# Altium PCB erb-pcb0003.PcbDoc (part 2 of 2)
Units mm, origin at the board's own origin, x right, y up, seen from the top; angles counter-clockwise.
Board outline 100 x 66.5 mm, 4 copper layers (Top Layer, Mid-Layer 1, Mid-Layer 2, Bottom Layer), stack 1.564 mm thick; 134 components, 87 nets, 757 pads, 92 vias.
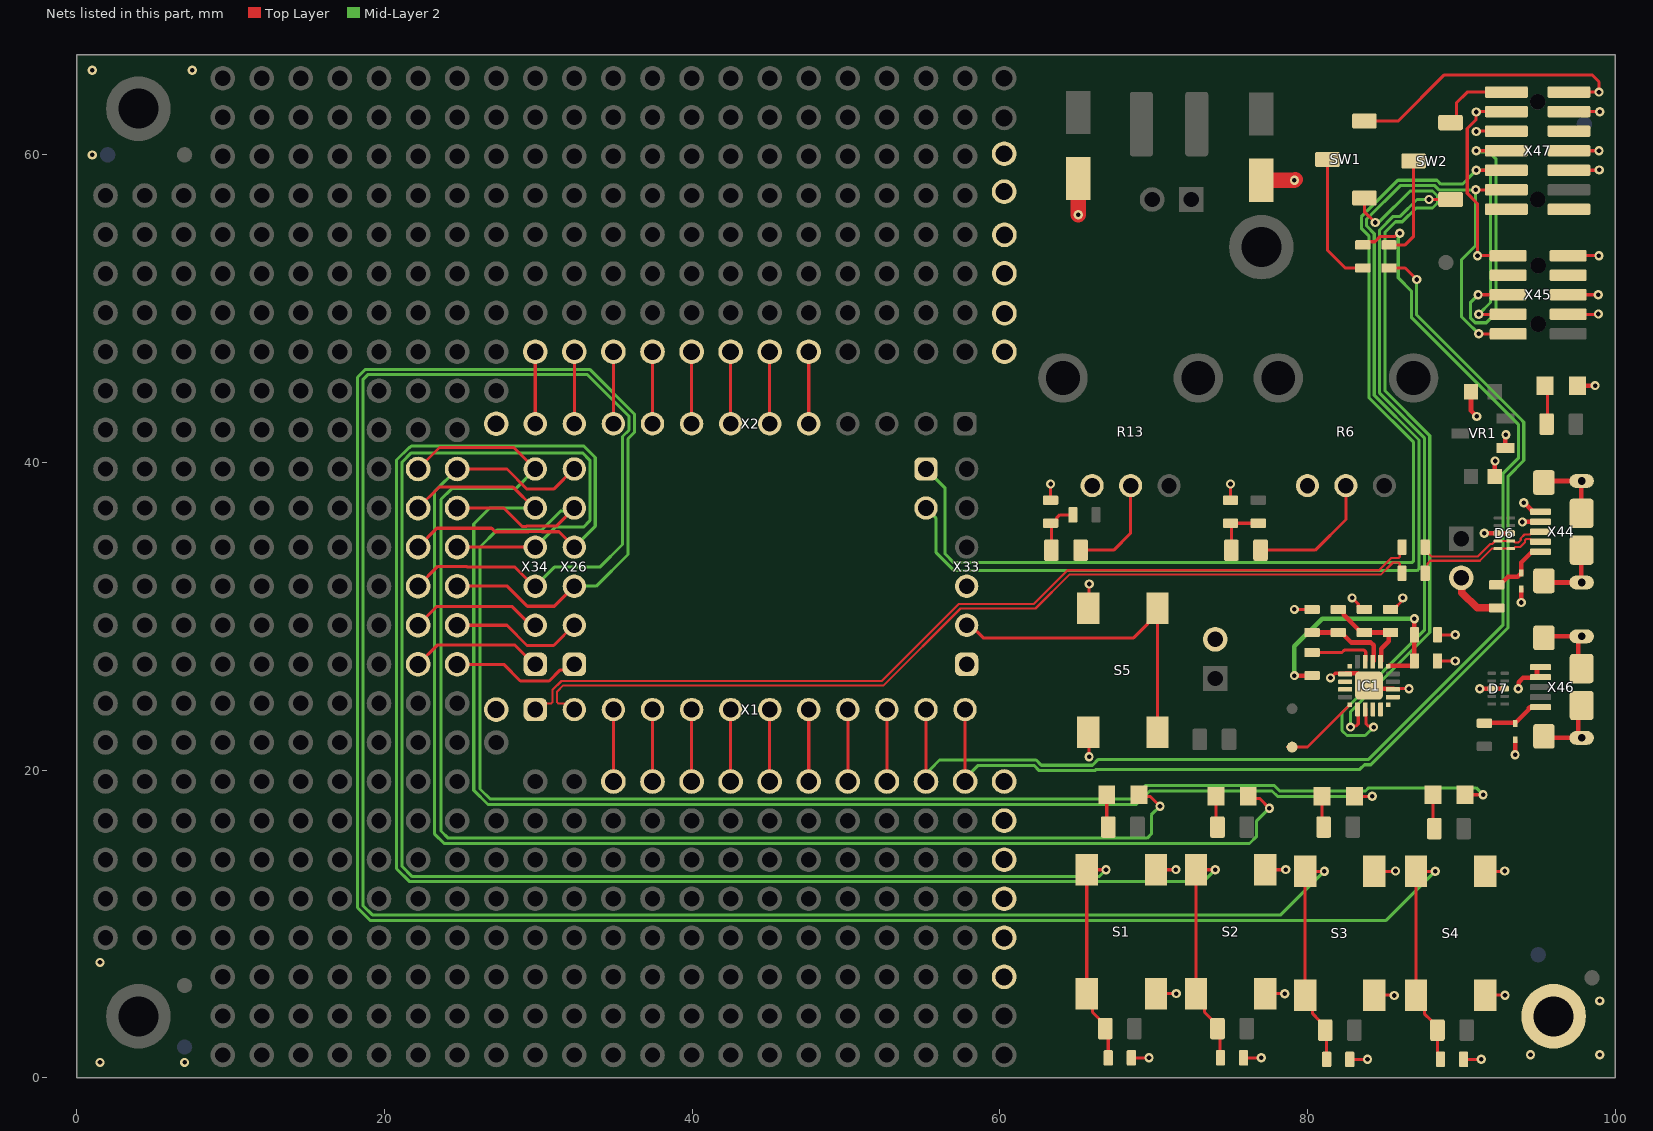
[diagram p4: the nets of this part, all layers, seen from the top]

## Via types
v1: diameter 0.6, hole 0.3, Top Layer to Bottom Layer, 92 vias

## Nets (pads, with @x,y where several pads share a name; then routed paths per layer and width w, separated by ;. In a path a pad name is that pad's centre, name@x,y a point inside that pad or via, vN(x,y) a via of type N, cw(c..) or ccw(c..) an arc to the next point about the centre after c; other vN are vias at no path point) (continued)
GND: C1.2 C2.2 C3.2 C4.2 C5.1 C6.1 C7.2 C8.2 C9.2 C10.2 C11.1 C12.1 C13.1 C14.1 D5.K D6.3 D6.8 D7.3 D7.8 D8.A D9.A IC1.3 IC1.12 IC1.21 pad.6@96,4 R6.1 R13.1 R16.2 S1.3 S1.4 S2.3 S2.4 S3.3 S3.4 S4.3 S4.4 S5.3 S5.4 VR1.1 X33.1 X33.3 X42.2 X44.4 X44.5 X44.6@95.375,32.3 X44.6@95.375,38.7 X44.6@97.825,32.2 X44.6@97.825,34.3 X44.6@97.825,36.7 X44.6@97.825,38.8 X45.3 X45.5 X45.9 X46.4 X46.5 X46.6@95.375,22.2 X46.6@95.375,28.6 X46.6@97.825,22.1 X46.6@97.825,24.2 X46.6@97.825,26.6 X46.6@97.825,28.7 X47.5 X47.7 X47.11 X52.1 X53.1 X54.1 X55.1 X56.1 X57.1 X58.1 X59.1 X60.1 X61.1 X62.1 X63.1 X64.1 X65.1 | length 80.7
  Top Layer w0.2: C7.2@63.3,37.55 v1(63.3,38.6) ; S5.4@65.8,22.1 65.8,20.874 v1(65.803,20.872) ; S5.3@65.8,30.9 65.8,32.092 v1(65.81,32.102) ; C1.2@68.55,1.3 v1(69.7,1.3) ; S1.3@70.15,5.475 71.471,5.475 v1(71.472,5.474) ; S1.4@70.15,13.525 71.435,13.525 v1(71.448,13.538) ; C3.2@75,37.55 v1(75,38.6) ; C2.2@75.85,1.3 v1(77,1.3) ; S2.3@77.25,5.475 78.509,5.475 v1(78.517,5.466) ; S2.4@77.25,13.525 78.576,13.525 v1(78.587,13.536) ; v1(79.15,30.45) R16.2@80.3,30.45 ; v1(81.5,26) 81.502,26 81.802,26.3 IC1.12@82.5,26.3 ; C4.2@82.75,1.2 v1(83.9,1.2) ; v1(82.9,31.2) 83.3,30.8 83.3,30.65 83.5,30.45 C14.1@83.7,30.45 ; IC1.21@84.05,25.55 IC1.21@84.3,25.3 ; S3.3@84.35,5.375 85.615,5.375 v1(85.635,5.354) ; S3.4@84.35,13.425 85.704,13.425 v1(85.723,13.444) ; C13.1@85.4,30.45 85.6,30.45 85.8,30.65 85.8,30.66 85.978,30.838 86.046,30.906 86.046,30.938 86.2,31.092 v1(86.2,31.2) ; IC1.3@85.6,25.3 v1(86.6,25.3) ; C11.1@88.45,27.1 v1(89.6,27.1) ; C12.1@88.45,28.8 v1(89.6,28.8) ; C8.2@90.15,1.2 v1(91.3,1.2) ; S4.3@91.55,5.375 92.828,5.375 v1(92.841,5.362) ; S4.4@91.55,13.425 92.807,13.425 v1(92.826,13.444) ; X45.3@96.95,49.635 98.89,49.635 v1(98.913,49.658) ; X45.5@96.95,50.905 v1(98.905,50.905) ; X45.9@96.95,53.445 v1(98.945,53.445) ; X47.5@97,59 98.94,59 v1(98.963,59.023) ; X47.7@97,60.27 v1(98.955,60.27) ; X47.11@97,62.81 v1(98.995,62.81)
  Top Layer w0.3: IC1.12@82.5,26.3 83.259,26.3 84.009,25.55 IC1.21@84.05,25.55 ; IC1.21@84.3,25.3 IC1.3@85.6,25.3 ; C6.1@90.63,44.6 90.63,43.37 v1(91,43) ; v1(91.2,25.3) D7.8@92.8,25.3 ; v1(91.5,35.4) D6.3@93.215,35.4 ; C5.1@92.17,39.1 92.176,39.106 92.176,40.076 v1(92.2,40.1) ; VR1.1@92.85,40.95 92.861,40.961 92.861,41.761 v1(92.9,41.8) ; v1(93.5,21) D9.A@93.5,21.95 ; v1(93.7,25.3) 93.736,25.336 93.736,25.724 94.012,26 94.875,26 94.925,26.05 X46.5@94.925,26.7 ; v1(93.9,30.9) D8.A@93.9,31.775 ; v1(93.975,36.133) 93.992,36.15 X44.4@95.125,36.15 ; v1(94.056,37.385) 94.083,37.385 94.6,36.868 94.6,36.85 94.65,36.8 X44.5@95.125,36.8 ; X46.6@95.15,22.2 95.25,22.1 97.6,22.1 X46.6@97.6,24.2 ; X46.6@95.15,28.6 95.25,28.7 97.6,28.7 X46.6@97.6,26.6 ; X44.6@95.35,32.3 95.45,32.2 97.8,32.2 X44.6@97.8,34.3 ; X44.6@95.35,38.7 95.45,38.8 97.8,38.8 X44.6@97.8,36.7 ; D5.K@97.55,45 v1(98.7,45)
  Top Layer w1: v1(65.1,56.1) C10.2@65.1,58.45 ; C9.2@77,58.35 v1(79.15,58.35) v1@79.2,58.4
  other v1: 1.5,1 7,1 94.5,1.5 99,1.5 99,5 1.5,7.5 1,60 1,65.5 7.5,65.5
GPIO1: D1.K X34.6 X40.1 | length 87.5
  Top Layer w0.2: X40.1@22.18,39.58 23.577,40.977 28.403,40.977 X34.6@29.8,39.58 ; D1.K@69.05,18.4 69.161,18.289 69.783,18.289 v1(70.412,17.659)
  Mid-Layer 2 w0.2: X34.6@29.8,39.58 28.52,38.3 24.365,38.3 23.67,37.605 23.67,16.047 24.137,15.58 69.58,15.58 69.85,15.85 69.85,17.097 v1(70.412,17.659)
GPIO2: D2.K X26.6 X32.1 | length 90.8
  Top Layer w0.2: X32.1@24.72,39.58 27.957,39.58 29.267,38.27 30.996,38.27 X26.6@32.323,39.597 ; D2.K@76.15,18.3 76.282,18.168 76.883,18.168 v1(77.524,17.527)
  Mid-Layer 2 w0.2: X32.1@24.72,39.58 23.235,38.095 23.235,15.87 23.875,15.23 76.23,15.23 76.7,15.7 76.7,16.703 v1(77.524,17.527)
GPIO3: D3.K X34.5 X39.1 | length 90.9
  Top Layer w0.2: X39.1@22.18,37.04 23.539,38.399 28.362,38.399 29.721,37.04 X34.5@29.8,37.04 ; D3.K@83.05,18.3 v1@84.2,18.3
  Mid-Layer 2 w0.2: X34.5@29.8,37.04 26.84,37.04 25.8,36 25.8,18.695 26.725,17.77 68.867,17.77 69.63,18.533 69.747,18.65 77.697,18.65 78.048,18.3 v1(84.205,18.3)
GPIO4: D4.K X26.5 X31.1 | length 98.9
  Top Layer w0.2: X31.1@24.72,37.04 27.752,37.04 28.942,35.85 29.227,35.85 29.237,35.86 31.16,35.86 X26.5@32.34,37.04 ; D4.K@90.25,18.4 v1@91.4,18.4
  Mid-Layer 2 w0.2: X26.5@32.34,37.04 32.14,36.84 31.44,36.84 30.2,35.6 27.3,35.6 26.21,34.51 26.21,18.78 26.87,18.12 68.584,18.12 69.464,19 77.842,19 78.193,18.65 83.777,18.65 83.977,18.85 90.966,18.85 v1(91.416,18.399)
GPIO5: C1.1 R1.1 S1.1 S1.2 X34.4 X38.1 | length 112.5
  Top Layer w0.2: X38.1@24.72,34.5 X34.4@29.8,34.5 ; v1(66.9,13.525) S1.2@65.65,13.525 S1.1@65.65,5.475 66.026,5.099 66.026,4.267 66.505,3.788 66.526,3.788 66.9,3.415 66.9,3.2 67.05,3.05 C1.1@67.05,1.3
  Mid-Layer 2 w0.2: X34.4@29.8,34.5 31.1,35.8 32.933,35.8 33.35,36.217 33.35,40.15 32.87,40.63 21.745,40.63 21.13,40.015 21.13,13.745 21.775,13.1 66.475,13.1 v1(66.9,13.525)
GPIO6: C2.1 R2.1 S2.1 S2.2 X26.4 X30.1 | length 125.5
  Top Layer w0.2: X30.1@22.18,34.5 23.405,35.725 26.961,35.725 27.186,35.5 29.372,35.5 29.382,35.51 30.218,35.51 30.228,35.5 31.34,35.5 X26.4@32.34,34.5 ; v1(74,13.525) S2.2@72.75,13.525 S2.1@72.75,5.475 73.311,4.914 73.311,4.267 R2.1@74.15,3.429 ; R2.1@74.15,3.2 74.318,3.032 74.318,1.332 C2.1@74.35,1.3
  Mid-Layer 2 w0.2: X26.4@32.34,34.5 33.7,35.86 33.7,40.325 32.955,41.07 21.745,41.07 21.655,40.98 21.6,40.98 20.78,40.16 20.78,13.6 21.63,12.75 73.225,12.75 v1(74,13.525)
GPIO7: C4.1 R8.1 S3.1 S3.2 X34.3 X37.1 | length 154.6
  Top Layer w0.2: X37.1@22.18,31.96 23.47,33.25 25.326,33.25 25.382,33.194 28.486,33.194 X34.3@29.721,31.96 ; v1(81.1,13.425) S3.2@79.85,13.425 S3.1@79.85,5.375 80.336,4.889 80.336,4.167 80.787,3.716 80.787,3.413 81.25,2.95 C4.1@81.25,1.2
  Mid-Layer 2 w0.2: X34.3@29.8,31.96 31.04,33.2 34,33.2 35.475,34.675 35.475,41.687 35.89,42.102 35.89,43.01 33.19,45.71 18.91,45.71 18.59,45.39 18.59,11.205 19.205,10.59 78.265,10.59 v1(81.1,13.425)
GPIO8: C8.1 R14.1 S4.1 S4.2 X26.3 X29.1 | length 162
  Top Layer w0.2: X29.1@24.72,31.96 27.978,31.96 29.281,30.657 31.037,30.657 X26.3@32.34,31.96 ; R14.1@88.076,3.688 87.597,4.167 87.597,4.828 S4.1@87.05,5.375 S4.2@87.05,13.425 v1(88.3,13.425) ; R14.1@88.076,3.688 88.45,3.315 C8.1@88.45,1.2
  Mid-Layer 2 w0.2: X26.3@32.34,31.96 33.76,31.96 35.825,34.025 35.825,41.542 36.24,41.957 36.24,43.155 33.335,46.06 19.06,46.06 18.765,46.06 18.24,45.535 18.24,45.24 18.24,11.06 19.06,10.24 85.115,10.24 v1(88.3,13.425)
GPIO9: X34.2 X36.1 | length 8.6
  Top Layer w0.2: X36.1@22.18,29.42 23.41,30.65 28.275,30.65 29.505,29.42 X34.2@29.8,29.42
GPIO10: X26.2 X28.1 | length 8.7
  Top Layer w0.2: X28.1@24.72,29.42 27.957,29.42 29.267,28.11 30.996,28.11 X26.2@32.323,29.437
GPIO11: X34.1 X35.1 | length 8.6
  Top Layer w0.2: X35.1@22.18,26.88 23.45,28.15 28.451,28.15 X34.1@29.721,26.88
GPIO12: X26.1 X27.1 | length 8.5
  Top Layer w0.2: X27.1@24.72,26.88 27.752,26.88 28.832,25.8 30.7,25.8 31.399,26.499 31.959,26.499 X26.1@32.34,26.88
GPIO13: X1.3 X21.1 | length 5.1
  Top Layer w0.2: X21.1@34.88,19.26 X1.3@34.88,24.34
GPIO14: X1.4 X19.1 | length 5.1
  Top Layer w0.2: X19.1@37.42,19.26 X1.4@37.42,24.34
GPIO15: X2.12 X4.1 | length 5.1
  Top Layer w0.2: X2.12@29.8,42.12 X4.1@29.8,47.2
I2C_SCL: X1.5 X17.1 | length 5.1
  Top Layer w0.2: X17.1@39.96,19.26 X1.5@39.96,24.34
I2C_SDA: X1.6 X15.1 | length 5.1
  Top Layer w0.2: X15.1@42.5,19.26 X1.6@42.5,24.34
NC_DBG_CON_1.1: X47.1
NC_DBG_CON_1.2: X47.2
NC_DBG_CON_1.9: X47.9
NC_DBG_CON_1.10: X47.10 | length 2
  Top Layer w0.2: v1(90.967,61.517) 90.99,61.54 X47.10@92.93,61.54
NC_DBG_CON_2.7: X45.7
NC_DBG_CON_2.8: X45.8
NC_GPIO0_CP2102: IC1.2
NC_GPIO1_CP2102: IC1.1
NC_GPIO2_CP2102: IC1.20
NC_GPIO3_CP2102: IC1.19
NC_nSuspend_CP2102: IC1.11
NC_Suspend_CP2102: IC1.14
NC_Wakeup_CP2102: IC1.13
NetC3_1: C3.1 R5.1 R20.1 | length 3.6
  Top Layer w0.2: R5.1@75.05,34.3 75.05,36 C3.1@75,36.05 R20.1@76.8,36.05
NetC7_1: C7.1 R12.1 R21.1 | length 3.6
  Top Layer w0.2: R12.1@63.35,34.3 63.35,36 C7.1@63.3,36.05 63.5,36.05 63.7,36.25 63.7,36.4 63.9,36.6 R21.1@64.8,36.6
NetD1_A: D1.A R3.2 | length 2.1
  Top Layer w0.2: D1.A@66.95,18.4 66.95,16.4 R3.2@67.05,16.3
NetD2_A: D2.A R4.2 | length 2
  Top Layer w0.2: D2.A@74.05,18.3 74.05,16.4 R4.2@74.15,16.3
NetD3_A: D3.A R7.2 | length 2
  Top Layer w0.2: D3.A@80.95,18.3 80.95,16.4 R7.2@81.05,16.3
NetD4_A: D4.A R9.2 | length 2.2
  Top Layer w0.2: D4.A@88.15,18.4 88.15,16.3 R9.2@88.25,16.2
NetD5_A: D5.A R10.2 | length 2.4
  Top Layer w0.2: R10.2@95.6,42.5 D5.A@95.6,44.85
NetD8_K: D8.K L2.2 X44.1 | length 4.2
  Top Layer w0.3: L2.2@92.3,32.05 92.5,32.05 93.036,32.586 93.661,32.586 93.825,32.75 93.9,32.75 93.9,33.5 94.55,34.15 95.075,34.15 X44.1@95.125,34.2
NetD9_K: D9.K L3.2 X46.1 | length 3.8
  Top Layer w0.3: L3.2@91.666,22.902 91.752,22.902 91.925,23.075 93.525,23.075 94.4,23.95 94.4,24.05 94.45,24.1 X46.1@94.925,24.1
NetL2_1: L2.1 X43.2 | length 3.8
  Top Layer w0.5: X43.2@89.9,32.6 90.035,32.465 90.035,31.543 91.028,30.55 L2.1@92.3,30.55
NetR5_2: R5.2 R6.2 | length 8.6
  Top Layer w0.2: R5.2@76.95,34.3 80.5,34.3 82.5,36.3 R6.2@82.5,38.5
NetR12_2: R12.2 R13.2 | length 6.8
  Top Layer w0.2: R12.2@65.25,34.3 67.4,34.3 68.5,35.4 R13.2@68.5,38.5
NetR18_1: R18.1 SW1.2 | length 8.7
  Top Layer w0.2: SW1.2@81.3,59.7 81.3,53.8 82.45,52.65 R18.1@83.6,52.65
NetR19_1: R19.1 SW2.2 | length 6.7
  Top Layer w0.2: R19.1@85.3,54.15 86.35,54.15 86.9,54.7 SW2.2@86.9,59.6
nRESET: X45.10 X47.12 | length 13.8
  Top Layer w0.2: v1(90.967,62.787) 90.967,62.295 90.385,61.713 90.385,57.502 91.055,56.832 v1(91.055,53.445) X45.10@93.05,53.445 ; v1@90.99,62.81 X47.12@92.93,62.81
nRST_CP2102: IC1.9 R15.2 | length 4.2
  Top Layer w0.2: R15.2@80.3,27.65 82.25,27.65 82.4,27.8 83.683,27.8 83.79,27.693 83.79,27.11 IC1.9@83.8,27.1
Reset: S5.1 S5.2 X33.2 | length 21.6
  Top Layer w0.2: X33.2@57.74,29.42 58.097,29.42 58.917,28.6 68.7,28.6 69.625,29.525 69.625,29.6 70.175,30.15 S5.1@70.25,30.15 ; S5.2@70.25,22.475 S5.1@70.25,30.15 ; S5.1@70.25,30.525 S5.1@70.25,30.15
RTS_CP2102: IC1.16 TP3.1 | length 5.4
  Top Layer w0.2: TP3.1@78.7,21.5 78.769,21.5 78.85,21.581 78.85,21.65 TP3.1@79.015,21.65 ; TP3.1@79,21.5 80,21.5 IC1.16@82.8,24.3
RXD_CP2102: IC1.17 SW1.1 | length 48.7
  Top Layer w0.2: v1(82.8,22.8) 82.877,22.877 83.168,22.877 83.3,23.008 IC1.17@83.3,24 ; SW1.1@83.7,57.2 83.7,56.3 v1(84.4,55.6)
  Mid-Layer 2 w0.2: v1(82.8,22.8) 82.8,23.795 87.95,28.945 87.95,41.75 85.042,44.658 85.042,54.969 85.723,55.65 86.167,55.65 87.067,56.55 88.128,56.55 88.45,56.872 88.45,57.328 88.128,57.65 86.682,57.65 84.709,55.677 84.477,55.677 v1(84.4,55.6)
SPI_CLK: X2.7 X14.1 | length 5.1
  Top Layer w0.2: X2.7@42.5,42.12 X14.1@42.5,47.2
SPI_CS1: X2.8 X12.1 | length 5.1
  Top Layer w0.2: X2.8@39.96,42.12 X12.1@39.96,47.2
SPI_CS2: X2.9 X10.1 | length 5.1
  Top Layer w0.2: X2.9@37.42,42.12 X10.1@37.42,47.2
SPI_CS3: X2.10 X8.1 | length 5.1
  Top Layer w0.2: X2.10@34.88,42.12 X8.1@34.88,47.2
SPI_CS4: X2.11 X6.1 | length 5.1
  Top Layer w0.2: X2.11@32.34,42.12 X6.1@32.34,47.2
SPI_MISO: X2.6 X16.1 | length 5.1
  Top Layer w0.2: X2.6@45.04,42.12 X16.1@45.04,47.2
SPI_MOSI: X2.5 X18.1 | length 5.1
  Top Layer w0.2: X2.5@47.58,42.12 X18.1@47.58,47.2
SWCLK: X25.1 X45.4 X47.6 | length 83.9
  Top Layer w0.2: v1(90.975,59) X47.6@92.93,59 ; v1(91.135,49.635) X45.4@93.05,49.635
  Mid-Layer 2 w0.2: X25.1@55.2,39.58 56.448,38.332 56.448,34.047 57.005,33.49 86.783,33.49 86.9,33.607 86.9,41.315 83.992,44.223 83.992,54.735 83.5,55.227 83.5,55.973 85.877,58.35 88.418,58.35 88.668,58.1 90.075,58.1 v1(90.975,59) 91.783,59 91.9,58.883 91.9,50.4 v1(91.135,49.635)
SWDIO: X25.2 X45.2 X47.4 | length 81.5
  Top Layer w0.2: v1(90.935,57.73) X47.4@92.93,57.73 ; v1(91.135,48.365) X45.2@93.05,48.365
  Mid-Layer 2 w0.2: X25.2@55.2,37.04 55.2,37.027 55.86,36.367 55.86,34.14 57.03,32.97 87.133,32.97 87.25,33.087 87.25,41.46 84.342,44.368 84.342,54.88 83.85,55.372 83.85,55.828 86.022,58 88.273,58 88.543,57.73 v1(90.935,57.73) 90.935,54.103 90,53.168 90,49.497 90.762,48.735 90.783,48.735 v1@91.135,48.383
SWO: X45.6 X47.8 | length 19.2
  Top Layer w0.2: v1(90.975,60.27) X47.8@92.93,60.27 ; v1(91.095,50.905) X45.6@93.05,50.905
  Mid-Layer 2 w0.2: v1(90.975,60.27) 91.052,60.193 91.807,60.193 92.25,59.75 92.25,49.709 91.626,49.085 90.907,49.085 90.585,49.407 90.585,50.395 v1(91.095,50.905)
TXD_CP2102: IC1.18 SW2.1 | length 45.4
  Top Layer w0.2: IC1.18@83.8,24 83.8,23.008 83.932,22.877 84.223,22.877 v1(84.3,22.8) ; v1(87.9,57.1) SW2.1@89.3,57.1
  Mid-Layer 2 w0.2: v1(84.3,22.8) 83.75,22.25 82.572,22.25 82.25,22.572 82.25,23.74 87.6,29.09 87.6,41.605 84.692,44.513 84.692,46.415 84.692,55.114 85.578,56 86.022,56 87.122,57.1 v1(87.9,57.1)
UART1_CTS: X1.9 X9.1 | length 5.1
  Top Layer w0.2: X9.1@50.12,19.26 X1.9@50.12,24.34
UART1_RTS: X1.10 X7.1 | length 5.1
  Top Layer w0.2: X7.1@52.66,19.26 X1.10@52.66,24.34
UART1_RX: R19.2 X1.12 X3.1 | length 73
  Top Layer w0.2: X3.1@57.74,19.26 X1.12@57.74,24.34 ; R19.2@85.3,52.65 86.35,52.65 86.645,52.355 v1(87.1,51.9)
  Mid-Layer 2 w0.2: X3.1@57.74,19.26 57.74,19.45 58.6,20.31 62.219,20.31 62.557,19.972 66.176,19.972 66.254,20.05 83.406,20.05 83.706,20.35 84.123,20.35 93.05,29.277 93.05,39.117 94.062,40.129 94.062,42.624 93.85,42.836 87.1,49.586 v1(87.1,51.9)
UART1_TX: R18.2 X1.11 X5.1 | length 79.6
  Top Layer w0.2: X5.1@55.2,19.26 X1.11@55.2,24.34 ; R18.2@83.6,54.15 83.8,54.35 84.39,54.35 84.74,54.7 85.692,54.7 85.892,54.9 v1(86,54.9)
  Mid-Layer 2 w0.2: X5.1@55.2,19.26 55.468,19.528 55.468,20.048 56.08,20.66 62.364,20.66 62.702,20.322 66.031,20.322 66.409,20.7 83.978,20.7 92.7,29.422 92.7,39.262 93.712,40.274 93.712,42.479 86.75,49.441 86.75,50.755 86.75,51.155 85.9,52.005 85.9,54.583 85.923,54.606 85.923,54.823 v1(86,54.9) ; X1.11@55.2,24.34 X1.11@55.453,24.593
UART2_RX: X1.8 X11.1 | length 5.1
  Top Layer w0.2: X11.1@47.58,19.26 X1.8@47.58,24.34
UART2_TX: X1.7 X13.1 | length 5.1
  Top Layer w0.2: X13.1@45.04,19.26 X1.7@45.04,24.34
USB_0_D1_N: R22.2 X1.2 | length 60.8
  Top Layer w0.14: X1.2@32.34,24.34 31.297,24.34 31.215,24.422 31.215,25.105 31.62,25.51 52.444,25.51 57.444,30.51 62.32,30.51 64.52,32.71 76.076,32.71 84.77,32.71 85.565,33.505 85.918,33.505 86,33.423 86,32.95 R22.2@86.15,32.8
USB_0_D1_P: R23.2 X1.1 | length 61.3
  Top Layer w0.14: X1.1@29.8,24.34 30.843,24.34 30.925,24.422 30.925,25.225 31.5,25.8 52.324,25.8 57.324,30.8 62.2,30.8 64.4,33 84.65,33 85.445,33.795 85.918,33.795 86,33.877 86,34.35 R23.2@86.15,34.5
USB_0_D_N: D6.1 D6.10 R22.1 X44.2 | length 8.8
  Top Layer w0.14: R22.1@87.65,32.8 87.8,32.95 87.8,33.423 87.987,33.61 91.205,33.61 92.012,34.417 92.188,34.417 92.205,34.4 D6.1@93.215,34.4 93.395,34.4 93.5,34.505 93.825,34.505 94.152,34.832 94.152,34.948 94.234,35.03 94.47,35.03 94.65,34.85 X44.2@95.125,34.85
USB_0_D_P: D6.2 D6.9 R23.1 X44.3 | length 8.7
  Top Layer w0.14: R23.1@87.65,34.5 87.8,34.35 87.8,34.153 88.053,33.9 91.085,33.9 91.892,34.707 92.012,34.707 92.205,34.9 D6.2@93.215,34.9 93.395,34.9 93.5,34.795 93.705,34.795 93.862,34.952 93.862,35.068 94.114,35.32 94.47,35.32 94.65,35.5 X44.3@95.125,35.5
VBUS: C13.2 C14.2 IC1.7 R17.1 | length 6.2
  Top Layer w0.3: R17.1@82,30.45 82.2,30.45 82.35,30.3 82.35,30.1 83.35,29.1 83.5,28.95 C14.2@83.7,28.95 C13.2@85.4,28.95 85.276,28.826 85.276,28.376 84.8,27.9 IC1.7@84.8,27.1
VBUS_CP2102: IC1.8 R16.1 R17.2 | length 5.4
  Top Layer w0.3: R16.1@80.3,28.95 R17.2@82,28.95 82.2,28.95 82.85,28.3 84.124,28.3 84.3,28.124 IC1.8@84.3,27.1
VCP_RX: SW1.3 X47.13 | length 19.3
  Top Layer w0.2: SW1.3@83.7,62.2 85.9,62.2 88.9,65.2 98.5,65.2 98.955,64.745 v1(98.955,64.08) X47.13@97,64.08
VCP_TX: SW2.3 X47.14 | length 5
  Top Layer w0.2: SW2.3@89.3,62.1 89.678,62.478 89.678,63.378 90.38,64.08 X47.14@92.93,64.08
VDD_CP2102: C11.2 C12.2 IC1.6 R15.1 | length 16.3
  Top Layer w0.3: v1@79.1,26.1 v1(79.15,26.15) R15.1@80.3,26.15 ; IC1.6@85.3,26.8 86.8,26.8 86.95,26.95 C11.2@86.95,27.1 C12.2@86.95,28.8 v1(86.95,29.85) v1@86.9,29.9
  Mid-Layer 2 w0.3: v1(79.15,26.15) 79.15,28.05 80.95,29.85 v1(86.95,29.85)
pads on no net: D6.4 D6.5 D6.6 D6.7 D7.4 D7.5 D7.6 D7.7 IC1.10 NPN1.0 NPN2.0 NPN3.0 NPN4.0 NPN5.0 NPN6.0 NPN7.0 NPN8.0 R6.NC1 R6.NC2 R13.NC1 R13.NC2 X44.6@97.825,32.2 X44.6@97.825,38.8 X45. X46.6@97.825,22.1 X46.6@97.825,28.7 X47.

## Polygon pours and split planes (outlines as drawn)
GND on Bottom Layer "GND_L04_P003" (solid, pour order 3): 0,66.5 100,66.5 100,0 0,0
GND on Mid-Layer 1 "NONET_L01_P-001" (solid, pour order 4): 0,0 0,66.5 100,66.5 100,0
3V3 on Mid-Layer 2 "NONET_L01_P-001" (solid, remove dead copper, pour order 6): 0,0 0,66.5 100,66.5 100,0

## Other copper
Top Layer:
  text ".Layer_Name" at 139.35,65.05 h1.2
  text ".Layer_Name" at 104.914,65.02 h1.2
Mid-Layer 1:
  text ".Layer_Name" at 139.35,65.05 h1.2
  text ".Layer_Name" at 104.91,65.014 h1.2
Mid-Layer 2:
  text ".Layer_Name" at 139.35,65.05 h1.2
  text ".Layer_Name" at 104.91,65.014 h1.2
Bottom Layer:
  text ".Layer_Name" at 139.35,65.05 h1.2
  text ".Layer_Name" at 104.914,65.02 h1.2

## Silkscreen, mask and mechanical layers (free items; w line width, h text height)
Top Overlay:
  circle w0.15: c60.28,62.44 r1.1
  circle w0.15: c60.28,64.98 r1.1
  circle w0.15: c60.28,1.48 r1.1
  circle w0.15: c60.28,4.02 r1.1
  circle w0.15: c24.72,39.58 r1.1
  circle w0.15: c24.72,37.04 r1.1
  circle w0.15: c24.72,34.5 r1.1
  circle w0.15: c24.72,31.96 r1.1
  circle w0.15: c24.72,29.42 r1.1
  circle w0.15: c24.72,26.88 r1.1
  circle w0.15: c32.34,47.2 r1.1
  circle w0.15: c29.8,47.2 r1.1
  circle w0.15: c34.88,47.2 r1.1
  circle w0.15: c37.42,47.2 r1.1
  circle w0.15: c39.96,47.2 r1.1
  circle w0.15: c42.5,47.2 r1.1
  circle w0.15: c45.04,47.2 r1.1
  circle w0.15: c47.58,47.2 r1.1
  circle w0.15: c50.12,47.2 r1.1
  circle w0.15: c52.66,47.2 r1.1
  circle w0.15: c55.2,47.2 r1.1
  circle w0.15: c57.74,47.2 r1.1
  circle w0.15: c47.58,19.26 r1.1
  circle w0.15: c50.12,19.26 r1.1
  circle w0.15: c52.66,19.26 r1.1
  circle w0.15: c55.2,19.26 r1.1
  circle w0.15: c57.74,19.26 r1.1
  circle w0.15: c34.88,19.26 r1.1
  circle w0.15: c37.42,19.26 r1.1
  circle w0.15: c39.96,19.26 r1.1
  circle w0.15: c42.5,19.26 r1.1
  circle w0.15: c45.04,19.26 r1.1
  circle w0.15: c22.18,26.88 r1.1
  circle w0.15: c22.18,29.42 r1.1
  circle w0.15: c22.18,31.96 r1.1
  circle w0.15: c22.18,34.5 r1.1
  circle w0.15: c22.18,37.04 r1.1
  circle w0.15: c22.18,39.58 r1.1
  lines w0.254: 59,5.2 61.6,5.2 61.6,20.8 59,20.8 59,5.2 ; 59,45.7 61.6,45.7 61.6,61.3 59,61.3 59,45.7
  text "PGM1" at 91.492,65.075 h0.8
  text "3V3A" at 61.818,64.641 h0.8
  text ".Layer_Name" at 139.35,63.05 h1.2
  text ".Layer_Name" at 104.85,63.025 h1.2
  text "3V3" at 62.519,61.477 h0.8 r90
  text "Variant:" at 156.9,60.2 h1.2
  text "3V3A" at 69.709,54.675 h0.8
  text "PGM2" at 91.334,54.525 h0.8
  text "JP" at 70.534,53.55 h0.8
  text "GND" at 62.85,52.334 h0.8 r90
  text "GP15" at 28.4,45.01 h0.8
  text "SCS3" at 33.414,45.01 h0.8
  text "SCS1" at 38.627,45.01 h0.8
  text "MISO" at 43.64,45.01 h0.8
  text "AI3" at 49.12,45.01 h0.8
  text "AI1" at 54.334,45.01 h0.8
  text "SCS4" at 30.874,43.74 h0.8
  text "SCS2" at 35.954,43.74 h0.8
  text "SCLK" at 41.034,43.74 h0.8
  text "MOSI" at 46.247,43.74 h0.8
  text "AI2" at 51.66,43.74 h0.8
  text "AI0" at 56.74,43.74 h0.8
  text "GP1" at 27.029,39.155 h0.8 r90
  text "GP2" at 28.299,39.022 h0.8 r90
  text "CLK" at 60.05,38.814 h0.8 r90
  text "Boot" at 61.55,38.667 h0.8 r90
  text "5V0" at 87.12,37.874 h0.8
  text "USB" at 87.17,36.749 h0.8
  text "IO" at 60.05,36.4 h0.8 r90
  text "GP3" at 27.029,36.228 h0.8 r90
  text "GP4" at 28.299,36.228 h0.8 r90
  text "3V3" at 61.625,35.929 h0.8 r90
  text "3V3A" at 59.167,34.05 h0.8
  text "GP5" at 27.029,33.434 h0.8 r90
  text "GP6" at 28.299,33.434 h0.8 r90
  text "GIT:" at 35.504,32.679 h1.52
  text ".VersionControl_ProjFolderRevNumberShort" at 41.654,32.679 h1.52
  text "GND" at 59.167,31.55 h0.8
  text "GP7" at 27.029,30.894 h0.8 r90
  text "GP8" at 28.299,30.894 h0.8 r90
  text "USB" at 94.87,30.599 h0.8
  text "Reset" at 59.167,29.05 h0.8
  text "GP9" at 27.029,27.846 h0.8 r90
  text "GP10" at 28.299,27.766 h0.8 r90
  text "GND" at 59.167,26.55 h0.8
  text "Boot" at 76.525,26.092 h0.8 r90
  text "GP11" at 27.029,24.598 h0.8 r90
  text "GP12" at 28.299,24.464 h0.8 r90
  text "USBN" at 30.874,21.79 h0.8
  text "GP14" at 36.02,21.79 h0.8
  text "SDA" at 41.434,21.79 h0.8
  text "RX2" at 46.514,21.79 h0.8
  text "RTS1" at 51.327,21.79 h0.8
  text "RX1" at 56.807,21.79 h0.8
  text "USBP" at 28.68,20.58 h0.8
  text "GP13" at 33.48,20.52 h0.8
  text "SCL" at 38.894,20.52 h0.8
  text "TX2" at 43.974,20.52 h0.8
  text "CTS1" at 48.787,20.52 h0.8
  text "TX1" at 54.267,20.52 h0.8
  text "DBG" at 94.834,20.5 h0.8
  text "GND" at 62.635,11.594 h0.8 r90
  text "erb-pcb0003" at 96.183,6.75 h0.8 r90
  text "G-Base-1 Rev 0.1" at 94.85,6.65 h0.9 r90
  text "3V3" at 61.734,3.59 h0.8
  text "3V3" at 61.734,1.05 h0.8
Bottom Overlay:
  text ".Layer_Name" at 139.35,63.05 h1.2
  text ".Layer_Name" at 104.85,63.025 h1.2
  text "Variant:" at 156.9,60.2 h1.2
Top Paste:
  text ".Layer_Name" at 139.35,61.05 h1.2
  text ".Layer_Name" at 104.85,61.025 h1.2
Bottom Paste:
  text ".Layer_Name" at 139.35,61.05 h1.2
  text ".Layer_Name" at 104.85,61.025 h1.2
Top Solder:
  text ".Layer_Name" at 139.35,59.05 h1.2
  text ".Layer_Name" at 104.85,59.025 h1.2
Bottom Solder:
  text ".Layer_Name" at 139.35,59.1 h1.2
  text ".Layer_Name" at 104.85,59.075 h1.2
Mechanical 1:
  lines w0.05: 62.075,45.515 62.075,45.515 ; 62.075,45.515 62.075,45.515
  lines w0.254: 0,0 0,66.5 8,66.5 99.96,66.5 99.96,0 0,0
  text ".Layer_Name" at 139.35,57.35 h1.2
  text ".Layer_Name" at 104.85,57.325 h1.2
Mechanical 2:
  lines w0.05: 62.075,21.42 62.075,21.42 ; 62.075,21.42 62.075,21.42 ; 62.075,21.42 62.075,21.42
  lines w0.1: 62.075,45.515 62.075,45.515
  text ".Layer_Name" at 139.35,55.834 h1.2
  text ".Layer_Name" at 104.85,55.809 h1.2
  text "all dimensions in mm" at 35.463,-7.16 h1.52
Top Assembly:
  text ".Layer_Name" at 104.85,54.325 h1.2
  text ".Layer_Name" at 139.35,54.35 h1.2
Drill Drawing:
  circle w0.254: c106.395,4.549 r0.536
  lines w0.254: 105.859,7.499 106.932,7.499 106.395,6.427 105.859,7.499 ; 105.859,8.84 106.932,8.84 106.932,9.913 105.859,9.913 105.859,8.84 ; 105.859,11.254 105.859,11.522 106.127,11.79 105.859,12.059 105.859,12.327 106.127,12.327 106.395,12.059 106.663,12.327 106.932,12.327 106.932,12.059 106.663,11.79 106.932,11.522 106.932,11.254 106.663,11.254 106.395,11.522 106.127,11.254 105.859,11.254 ; 105.859,13.936 106.127,13.936 106.395,13.668 106.663,13.936 106.932,13.936 106.663,14.204 106.932,14.472 106.663,14.472 106.395,14.741 106.127,14.472 105.859,14.472 106.127,14.204 105.859,13.936 ; 105.859,16.081 106.395,16.35 106.932,16.081 106.663,16.618 106.932,17.154 106.395,16.886 105.859,17.154 106.127,16.618 105.859,16.081 ; 105.859,19.032 106.395,18.495 106.932,19.032 106.395,19.568 105.859,19.032
  lines w0.381: 104.836,27.976 111.981,27.976 127.975,27.976 142.778,27.976 154.007,27.976 163.875,27.976 ; 104.836,30.019 111.981,30.019 127.975,30.019 142.778,30.019 154.007,30.019 163.875,30.019 ; 104.836,32.062 111.981,32.062 127.975,32.062 142.778,32.062 154.007,32.062 163.875,32.062 ; 104.836,34.104 111.981,34.104 127.975,34.104 142.778,34.104 154.007,34.104 163.875,34.104 ; 104.836,36.147 111.981,36.147 127.975,36.147 142.778,36.147 154.007,36.147 163.875,36.147 ; 104.836,38.19 111.981,38.19 127.975,38.19 142.778,38.19 154.007,38.19 163.875,38.19 ; 104.836,40.232 111.981,40.232 127.975,40.232 142.778,40.232 154.007,40.232 163.875,40.232 ; 104.836,42.275 111.981,42.275 127.975,42.275 142.778,42.275 154.007,42.275 163.875,42.275 ; 104.836,44.318 111.981,44.318 127.975,44.318 142.778,44.318 154.007,44.318 163.875,44.318 ; 104.836,46.36 111.981,46.36 127.975,46.36 142.778,46.36 154.007,46.36 163.875,46.36 ; 104.836,48.403 163.875,48.403 ; 104.868,3.289 267.813,3.289 ; 104.868,20.185 267.813,20.185 ; 111.981,50.446 111.981,25.934 ; 114.03,0.875 114.03,22.599 ; 123.868,0.875 123.868,22.599 ; 127.975,50.446 127.975,25.934 ; 142.555,0.875 142.555,22.599 ; 142.778,50.446 142.778,25.934 ; 150.993,0.875 150.993,22.599 ; 154.007,50.446 154.007,25.934 ; 163.099,0.875 163.099,22.599 ; 187.415,0.875 187.415,22.599 ; 197.204,0.875 197.204,22.599 ; 209.503,0.875 209.503,22.599 ; 227.224,0.875 227.224,22.599 ; 244.945,0.875 244.945,22.599 ; 111.981,25.934 104.836,25.934 104.836,50.446 163.875,50.446 163.875,25.934 154.007,25.934 ; 111.981,25.934 127.975,25.934 ; 127.975,25.934 142.778,25.934 ; 142.778,25.934 154.007,25.934 ; 104.868,0.875 267.813,0.875 267.813,22.599 104.868,22.599 104.868,0.875
  text "PCB File:" at 156.9,64.2 h1.2
  text ".Pcb_File_Name_No_Path" at 170.4,64.2 h1.2
  text "Print Date:" at 156.9,62.2 h1.2
  text ".Print_Date" at 170.4,62.2 h1.2
  text "Variant:" at 156.9,60.2 h1.2
  text ".VariantName" at 170.4,60.2 h1.2
  text "Layer" at 106.111,48.914 h1.02
  text "Name" at 113.257,48.914 h1.02
  text "Material" at 129.25,48.914 h1.02
  text "Thickness" at 144.053,48.914 h1.02
  text "Constant" at 155.282,48.914 h1.02
  text "Top Overlay" at 113.257,46.871 h1.02
  text "Top Solder" at 113.257,44.828 h1.02
  text "Solder Resist" at 129.25,44.828 h1.02
  text "0.010mm" at 144.053,44.828 h1.02
  text "3.5" at 155.282,44.828 h1.02
  text "1" at 106.111,42.786 h1.02
  text "Top Layer" at 113.257,42.786 h1.02
  text "0.035mm" at 144.053,42.786 h1.02
  text "Dielectric 1" at 113.257,40.743 h1.02
  text "FR-4" at 129.25,40.743 h1.02
  text "0.099mm" at 144.053,40.743 h1.02
  text "4.8" at 155.282,40.743 h1.02
  text "2" at 106.111,38.7 h1.02
  text "Mid-Layer 1" at 113.257,38.7 h1.02
  text "0.015mm" at 144.053,38.7 h1.02
  text "Dielectric3" at 113.257,36.658 h1.02
  text "FR-4" at 129.25,36.658 h1.02
  text "1.265mm" at 144.053,36.658 h1.02
  text "4.8" at 155.282,36.658 h1.02
  text "3" at 106.111,34.615 h1.02
  text "Mid-Layer 2" at 113.257,34.615 h1.02
  text "0.015mm" at 144.053,34.615 h1.02
  text "Dielectric2" at 113.257,32.572 h1.02
  text "FR-4" at 129.25,32.572 h1.02
  text "0.099mm" at 144.053,32.572 h1.02
  text "4.8" at 155.282,32.572 h1.02
  text "4" at 106.111,30.53 h1.02
  text "Bottom Layer" at 113.257,30.53 h1.02
  text "0.035mm" at 144.053,30.53 h1.02
  text "Bottom Solder" at 113.257,28.487 h1.02
  text "Solder Resist" at 129.25,28.487 h1.02
  text "0.010mm" at 144.053,28.487 h1.02
  text "3.5" at 155.282,28.487 h1.02
  text "Bottom Overlay" at 113.257,26.444 h1.02
  text "Symbol" at 106.316,20.909 h1.16
  text "Count" at 114.754,20.909 h1.16
  text "Hole Size" at 124.593,20.909 h1.16
  text "Plated" at 143.279,20.909 h1.16
  text "Hole Type" at 151.717,20.909 h1.16
  text "Drill Layer Pair" at 163.823,20.909 h1.16
  text "Via/Pad" at 188.139,20.909 h1.16
  text "Pad Shape" at 197.929,20.909 h1.16
  text "Template" at 210.227,20.909 h1.16
  text "Hole Length" at 227.948,20.909 h1.16
  text "Routed Path Length" at 245.669,20.909 h1.16
  text "4" at 114.754,18.495 h0.97
  text "0.500mm (19.69mil)" at 124.593,18.495 h0.97
  text "PTH" at 143.279,18.495 h0.97
  text "Slot" at 151.717,18.495 h0.97
  text "Top Layer - Bottom Layer" at 163.823,18.495 h0.97
  text "Pad" at 188.139,18.495 h0.97
  text "Rounded" at 197.929,18.495 h0.97
  text "r160_90h50_120r45" at 210.227,18.495 h0.97
  text "1.200mm (47.24mil)" at 227.948,18.495 h0.97
  text "0.700mm (27.56mil)" at 245.669,18.495 h0.97
  text "4" at 114.754,16.081 h0.97
  text "2.200mm (86.61mil)" at 124.593,16.081 h0.97
  text "PTH" at 143.279,16.081 h0.97
  text "Round" at 151.717,16.081 h0.97
  text "Top Layer - Bottom Layer" at 163.823,16.081 h0.97
  text "Pad" at 188.139,16.081 h0.97
  text "Rounded" at 197.929,16.081 h0.97
  text "c322h220" at 210.227,16.081 h0.97
  text "-" at 227.948,16.081 h0.97
  text "-" at 245.669,16.081 h0.97
  text "4" at 114.754,13.668 h0.97
  text "2.600mm (102.36mil)" at 124.593,13.668 h0.97
  text "PTH" at 143.279,13.668 h0.97
  text "Round" at 151.717,13.668 h0.97
  text "Top Layer - Bottom Layer" at 163.823,13.668 h0.97
  text "Pad" at 188.139,13.668 h0.97
  text "Rounded" at 197.929,13.668 h0.97
  text "c420h260" at 210.227,13.668 h0.97
  text "-" at 227.948,13.668 h0.97
  text "-" at 245.669,13.668 h0.97
  text "48" at 114.754,11.254 h0.97
  text "1.020mm (40.16mil)" at 124.593,11.254 h0.97
  text "PTH" at 143.279,11.254 h0.97
  text "Round" at 151.717,11.254 h0.97
  text "Top Layer - Bottom Layer" at 163.823,11.254 h0.97
  text "Pad" at 188.139,11.254 h0.97
  text "(Mixed)" at 197.929,11.254 h0.97
  text "(Mixed)" at 210.227,11.254 h0.97
  text "-" at 227.948,11.254 h0.97
  text "-" at 245.669,11.254 h0.97
  text "52" at 114.754,8.84 h0.97
  text "1.100mm (43.31mil)" at 124.593,8.84 h0.97
  text "PTH" at 143.279,8.84 h0.97
  text "Round" at 151.717,8.84 h0.97
  text "Top Layer - Bottom Layer" at 163.823,8.84 h0.97
  text "Pad" at 188.139,8.84 h0.97
  text "Rounded" at 197.929,8.84 h0.97
  text "c160h110" at 210.227,8.84 h0.97
  text "-" at 227.948,8.84 h0.97
  text "-" at 245.669,8.84 h0.97
  text "92" at 114.754,6.427 h0.97
  text "0.300mm (11.81mil)" at 124.593,6.427 h0.97
  text "PTH" at 143.279,6.427 h0.97
  text "Round" at 151.717,6.427 h0.97
  text "Top Layer - Bottom Layer" at 163.823,6.427 h0.97
  text "Via" at 188.139,6.427 h0.97
  text "Rounded" at 197.929,6.427 h0.97
  text "v60h30" at 210.227,6.427 h0.97
  text "-" at 227.948,6.427 h0.97
  text "-" at 245.669,6.427 h0.97
  text "429" at 114.754,4.013 h0.97
  text "1.000mm (39.37mil)" at 124.593,4.013 h0.97
  text "PTH" at 143.279,4.013 h0.97
  text "Round" at 151.717,4.013 h0.97
  text "Top Layer - Bottom Layer" at 163.823,4.013 h0.97
  text "Pad" at 188.139,4.013 h0.97
  text "(Mixed)" at 197.929,4.013 h0.97
  text "(Mixed)" at 210.227,4.013 h0.97
  text "-" at 227.948,4.013 h0.97
  text "-" at 245.669,4.013 h0.97
  text "633 Total" at 114.754,1.599 h0.97
  text "Slot definitions :" at 106.316,-0.92 h0.97
  text "Routed Path Length" at 123.194,-0.92 h0.97
  text "= Calculated from tool start centre position to tool end centre position." at 141.198,-0.92 h0.97
  text "Hole Length" at 123.194,-2.715 h0.97
  text "= Routed Path Length + Tool Size = Slot length as defined in the PCB layout" at 134.603,-2.715 h0.97

## Dimensions
0,0 to 0,66.5 on Mechanical 2
0,0 to 100,-1 on Mechanical 2

## Text inside footprints (layer, text, board x,y; h text height)
D1: Top Overlay "+" at 65.45,18.7 h0.76 r270
D2: Top Overlay "+" at 72.55,18.6 h0.76 r270
D3: Top Overlay "+" at 79.45,18.6 h0.76 r270
D4: Top Overlay "+" at 86.65,18.7 h0.76 r270
D5: Top Overlay "+" at 93.95,45.3 h0.76 r270
LF: Top Layer "TOP1" at 98.8,8.1 h1.2 r90; Mid-Layer 1 "2" at 98.8,12.6 h1.2 r90; Bottom Layer "BOT4" at 98.8,20 h1.2 r90; Mid-Layer 2 "3" at 98.8,14.1 h1.2 r90